# Altium PCB ControlBoard.PcbDoc (part 3 of 3) (continued)
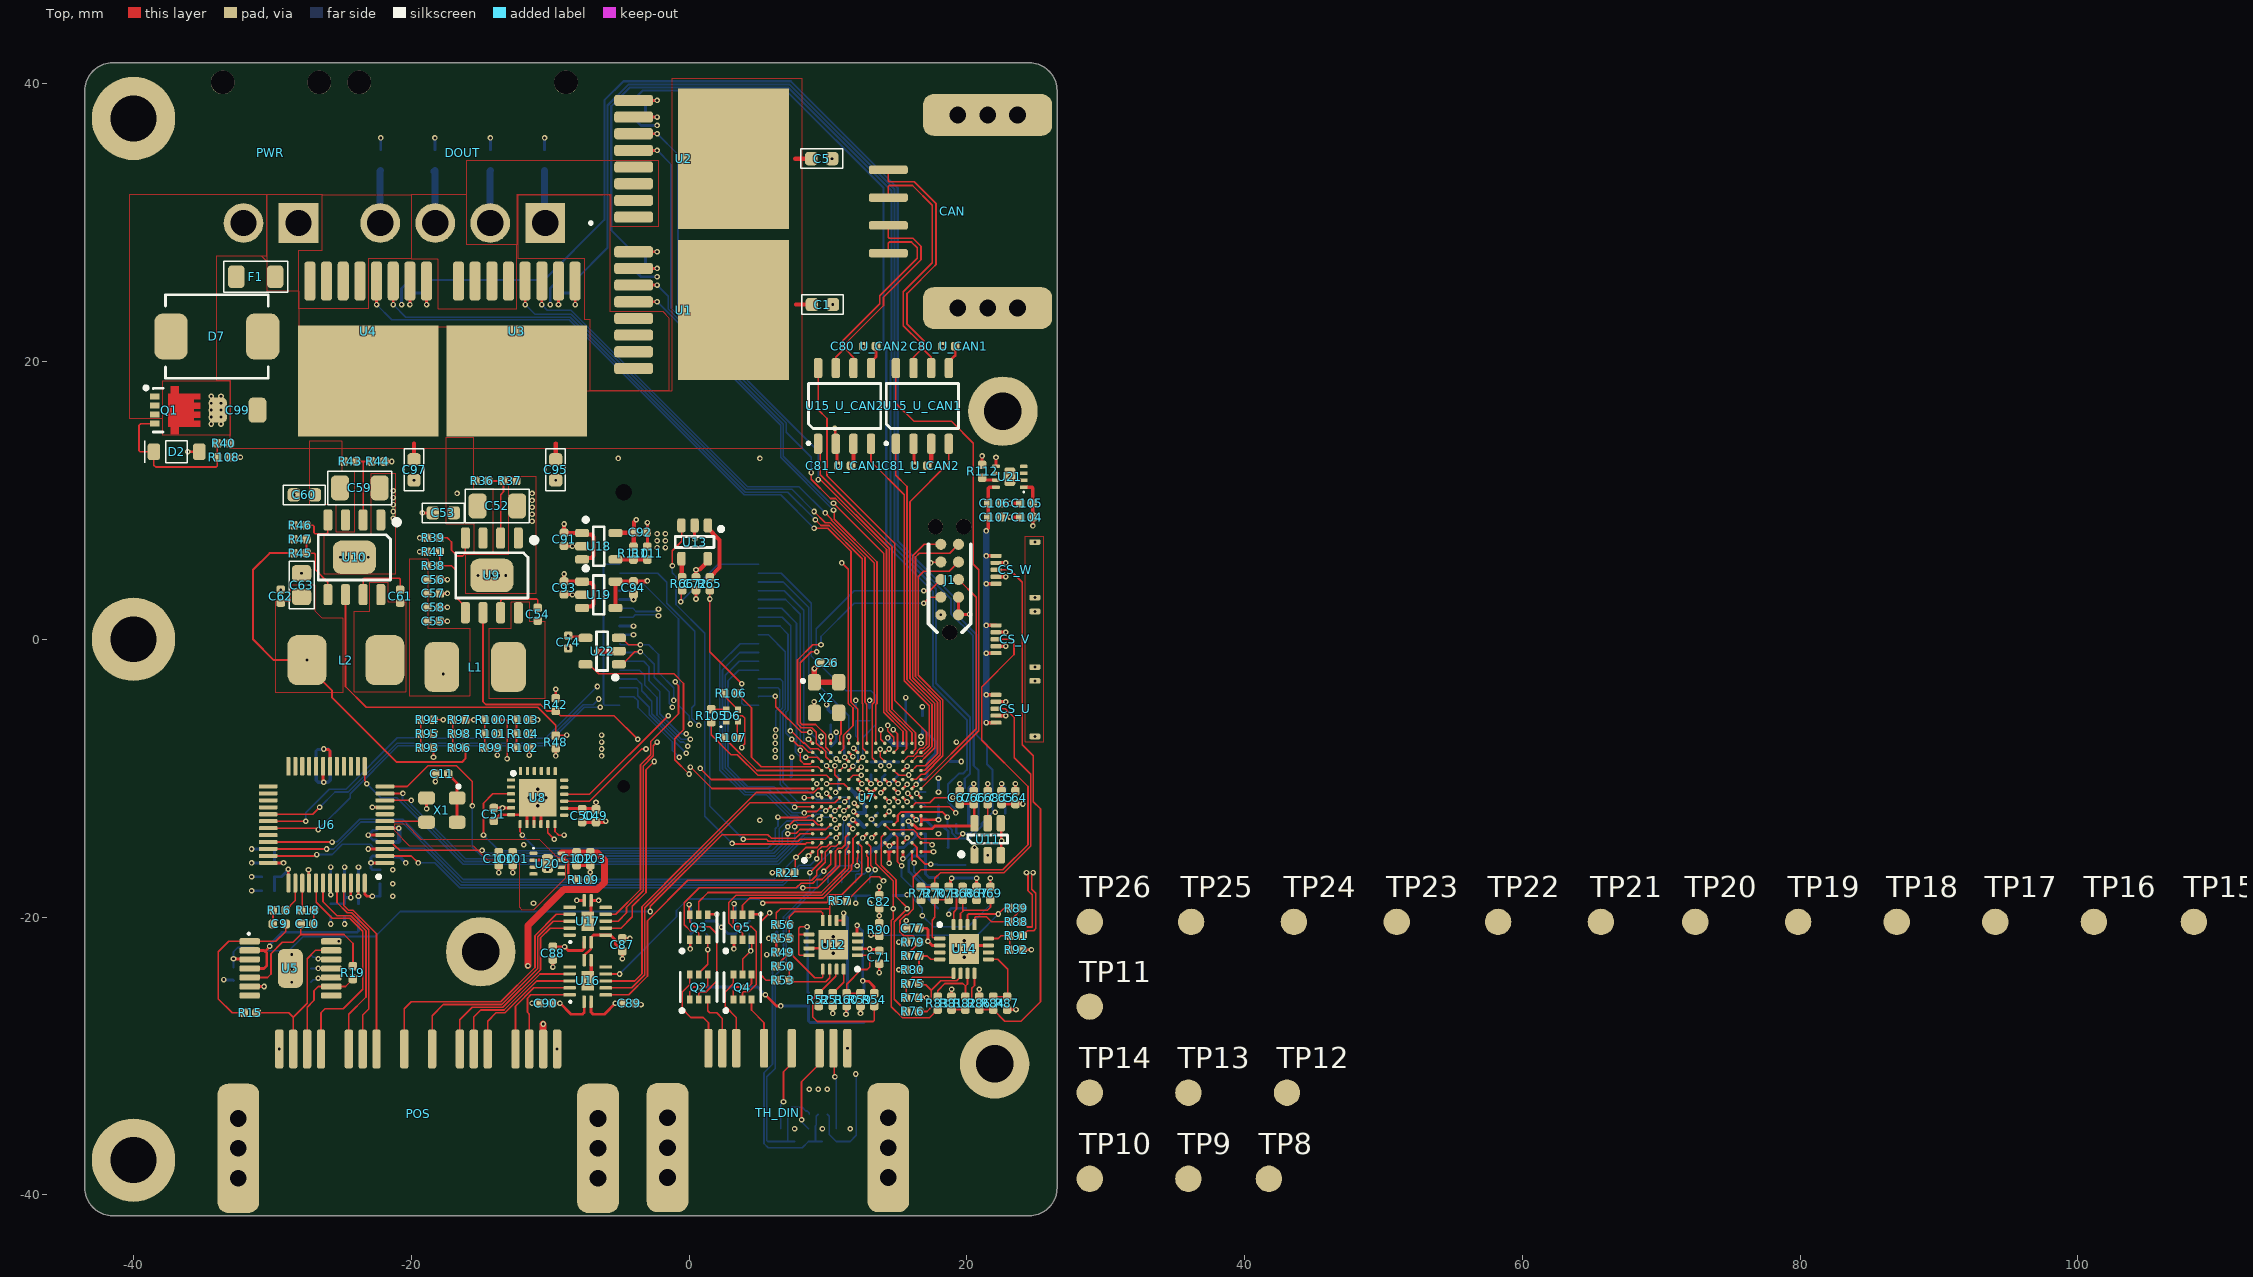
[diagram p0: Top view]
## Nets (pads, with @x,y where several pads share a name; then routed paths per layer and width w, separated by ;. In a path a pad name is that pad's centre, name@x,y a point inside that pad or via, vN(x,y) a via of type N, cw(c..) or ccw(c..) an arc to the next point about the centre after c; other vN are vias at no path point) (continued)
NetR66_1: R66.1 U13.4 | length 1.4
  Top w0.3: U13.4@-0.55,5.8 -0.525,5.775 -0.525,4.485 R66.1@-0.5,4.46
NetR67_2: R67.2 R68.1 U14.16 | length 4.4
  Top w0.12: U14.16@19.05,-20.55 19.05,-19.65 19.254,-19.446 19.254,-18.286 R68.1@19.7,-17.84 19.74,-17.84 20.66,-18.76 R67.2@20.7,-18.76
NetR68_2: R68.2 R69.1 U14.15 | length 4.5
  Top w0.12: U14.15@19.55,-20.55 19.55,-19.75 19.7,-19.6 ; R68.2@19.7,-18.76 19.7,-19.6 ; R69.1@21.7,-18.76 21.7,-19.3 21.49,-19.51 19.79,-19.51 19.7,-19.6
NetR70_2: R70.2 R73.2 U14.1 | length 4.4
  Top w0.12: U14.1@18.05,-21.55 18,-21.5 17.57,-21.5 17.5,-21.43 17.5,-20.221 17.7,-20.021 R70.2@17.7,-18.76 R73.2@18.7,-18.76
NetR74_2: R74.2 R75.1 U14.5 | length 4.8
  Top w0.12: R74.2@15.64,-25.8 R75.1@15.64,-24.8 ; R75.1@15.64,-24.8 16.094,-24.346 18.971,-24.346 19.05,-24.267 U14.5@19.05,-24.05
NetR75_2: R75.2 R76.1 U14.6 | length 6.1
  Top w0.12: R76.1@16.56,-26.8 17.132,-26.8 17.436,-26.496 17.436,-25.264 ; R75.2@16.56,-24.8 16.638,-24.878 17.05,-24.878 17.436,-25.264 ; U14.6@19.55,-24.05 19.55,-24.31 19.274,-24.586 18.114,-24.586 17.436,-25.264
NetR77_2: R77.2 R80.2 U14.4 | length 2.6
  Top w0.12: R80.2@16.56,-23.8 16.56,-23.15 R77.2@16.56,-22.8 17.149,-22.8 17.399,-23.05 U14.4@18.05,-23.05
NetR81_2: R81.2 R82.1 U14.8 | length 3.9
  Top w0.12: R81.2@18.9,-26.66 R82.1@19.9,-26.66 20.346,-26.214 20.346,-25.134 20.55,-24.93 U14.8@20.55,-24.05
NetR82_2: R82.2 R83.1 U14.7 | length 4.6
  Top w0.12: R83.1@17.9,-25.74 17.9,-25.3 18.418,-24.782 19.712,-24.782 19.9,-24.97 ; R82.2@19.82,-25.66 R82.2@19.9,-25.74 19.9,-24.97 ; U14.7@20.05,-24.05 20.05,-24.82 19.9,-24.97
NetR84_2: R84.2 R87.2 U14.9 | length 4.6
  Top w0.12: U14.9@21.55,-23.05 22.23,-23.05 22.95,-23.77 R87.2@22.95,-25.69 ; R84.2@21.9,-25.74 R87.2@22.9,-25.74
NetR88_2: R88.2 R89.1 U14.13 | length 4.6
  Top w0.12: U14.13@20.55,-20.55 20.563,-20.537 20.563,-20.05 20.633,-19.979 21.412,-19.979 21.783,-20.35 R88.2@23.09,-20.35 23.09,-20.31 24.01,-19.39 R89.1@24.01,-19.35
NetR89_2: R89.2 R90.1 U14.14 | length 14.4
  Top w0.12: v1(13.1,-21.3) 13.13,-21.33 13.67,-21.33 R90.1@13.7,-21.36 ; U14.14@20.05,-20.55 20.05,-19.853 20.12,-19.783 v1(22.267,-19.783) 22.7,-19.35 R89.2@23.09,-19.35
  Bot w0.12: v1(13.1,-21.3) 20.75,-21.3 v1(22.267,-19.783)
NetR91_2: R91.2 R92.2 U14.12 | length 2.6
  Top w0.12: U14.12@21.55,-21.55 22.266,-21.55 22.466,-21.35 R91.2@23.09,-21.35 R92.2@23.09,-22.35
NetR93_2: R93.2 R94.1 R95.2 | length 2
  Top w0.12: R93.2@-19.32,-7.8 R94.1@-19.32,-5.8
NetR96_2: R96.2 R97.1 R98.2 | length 2
  Top w0.12: R96.2@-17.02,-7.8 R97.1@-17.02,-5.8
NetR99_2: R99.2 R100.1 R101.2 | length 2
  Top w0.12: R99.2@-14.72,-7.8 R100.1@-14.72,-5.8
NetR102_2: R102.2 R103.1 R104.2 | length 2
  Top w0.12: R102.2@-12.42,-7.8 R103.1@-12.42,-5.8
NetR109_2: R109.2 U20.7 | length 2.4
  Top w0.2: U20.7@-9.2,-15.9 -9.195,-15.905 -8.817,-15.905 -8.7,-16.022 -8.7,-17.183 -8.583,-17.3 R109.2@-8.06,-17.3
NetR110_1: R110.1 R111.1 U18.4 | length 2.3
  Top w0.3: U18.4@-5.3,5.75 -5.295,5.745 -3.005,5.745 R111.1@-3,5.74
NetR112_2: R112.2 U21.7 | length 1.1
  Top w0.2: R112.2@21.1,11.64 21.265,11.475 22.075,11.475 U21.7@22.1,11.45
NetTP1_1: TP1.1 U7.H3 | length 0.4
  Top w0.2: v1(13.15,-14.3) U7.H3@13.45,-14
NetTP2_1: TP2.1 U7.J5 | length 0.4
  Top w0.2: U7.J5@14.1,-12.7 v1(14.4,-12.4)
NetTP3_1: TP3.1 U7.N3
NetTP4_1: TP4.1 U7.M3
NetTP5_1: TP5.1 U7.K8 | length 0.4
  Top w0.2: U7.K8@14.75,-10.75 v1(15.05,-11.05)
NetTP6_1: TP6.1 U7.E4 | length 0.4
  Top w0.2: U7.E4@11.5,-13.35 v1(11.8,-13.65)
OUTPUT_SHDN: R20.2 U5.3 U7.A3 | length 48.2
  Top w0.12: v1(-2.8,-19.6) -2.788,-19.588 -2.788,-19.22 2.369,-14.064 5.664,-14.064 5.936,-14.336 7.664,-14.336 8,-14 U7.A3@8.9,-14
  Top w0.2: v1(-32.8,-23) -32.775,-23.025 -31.663,-23.025 U5.3@-31.638,-23.05
  Bot w0.12: R20.2@-32.8,-23.64 v1(-32.8,-23) -32.8,-22.506 -32.487,-22.194 -31.324,-22.194 -31.082,-22.436 -28.812,-22.436 -27.775,-21.4 -22.6,-21.4 -20.8,-19.6 v1(-2.8,-19.6)
PB_IO_INT: P2.39 U7.B7 | length 18.7
  Top w0.2: v1(9.3,-11.2) 9.336,-11.2 9.536,-11.4 U7.B7@9.55,-11.4
  VDD w0.12: v1(-0.7,-8.5) -0.664,-8.536 0.667,-8.536 3.867,-11.736 8.764,-11.736 v1(9.3,-11.2)
  Bot w0.12: P2.39@-5,-4.127 -3.972,-4.127 -3.671,-4.429 -3.671,-4.914 -1.189,-7.396 -1.189,-8.011 v1(-0.7,-8.5)
PBDET_MID: P2.38 P2.54 | length 12.4
  Bot w0.12: P2.38@-5,-4.763 -6.062,-4.763 -6.164,-4.661 -6.164,5.327 -6.094,5.397 P2.54@-5,5.397
PBDET_nEN: U7.A2 U13.3 | length 30.8
  Top w0.12: v1(-1.2,5.3) -1.2,6.384 -0.525,7.059 -0.525,8.175 U13.3@-0.55,8.2 ; v1(3.1,-14.7) 3.136,-14.736 8.386,-14.736 8.473,-14.65 U7.A2@8.9,-14.65
  Bot w0.12: v1(-1.2,5.3) -1.2,4.783 -0.936,4.519 -0.936,2.506 1.136,0.434 1.136,-12.736 v1(3.1,-14.7)
PBDET_WDI: P2.24 R66.2 | length 7.6
  Top w0.12: v1(-0.6,2.7) -0.55,2.75 -0.55,3.49 R66.2@-0.5,3.54
  Bot w0.12: v1(-0.6,2.7) 2.098,5.397 P2.24@5,5.397
PBDET_WDO: P2.8 R65.2 U7.C3 | length 35.2
  Top w0.12: R65.2@1.5,3.54 v1(1.5,2.9) 1.5,-0.9 v1(3.8,-3.2) ; v1(3.9,-14.4) 5.582,-14.4 5.714,-14.532 7.868,-14.532 8.011,-14.389 9.811,-14.389 U7.C3@10.2,-14
  Bot w0.12: v1(1.5,2.9) 1.5,-12 v1(3.9,-14.4) ; v1(3.8,-3.2) 3.8,-4.6 3.963,-4.763 P2.8@5,-4.763
PCTRL_ENA: P2.9 U7.D11 | length 8.3
  Top w0.12: v1(6.2,-4.1) 6.254,-4.154 6.254,-4.854 8.1,-6.7 v1(8.7,-6.7) ; v1(10.6,-8.6) 10.625,-8.6 10.825,-8.8 U7.D11@10.85,-8.8
  Bot w0.12: P2.9@5,-4.127 5.014,-4.114 6.186,-4.114 v1(6.2,-4.1) ; v1(8.7,-6.7) 9.39,-7.39 9.39,-7.571 10.079,-8.261 10.261,-8.261 v1(10.6,-8.6)
PCTRL_nPG: P2.10 U7.B13 | length 9.1
  Top w0.12: v1(9.5,-7) 9.45,-7.05 9.45,-7.15 9.525,-7.225 9.525,-7.475 U7.B13@9.55,-7.5
  VDD w0.12: v1(6.235,-6.525) 6.25,-6.525 7.261,-7.536 7.597,-7.536 7.665,-7.468 8.335,-7.468 8.404,-7.536 8.964,-7.536 v1(9.5,-7)
  Bot w0.12: P2.10@5,-3.492 5.008,-3.5 6.4,-3.5 6.536,-3.636 6.536,-4.862 6.235,-5.163 v1(6.235,-6.525)
PCTRL_UH: P2.11 U7.E7 | length 14.9
  Top w0.12: v1(11.2,-11.7) U7.E7@11.5,-11.4
  Bot w0.12: P2.11@5,-2.857 6.558,-2.857 6.736,-3.036 6.736,-4.939 6.571,-5.104 6.571,-9.415 6.568,-9.419 6.568,-10.381 6.571,-10.385 6.571,-10.459 7.848,-11.736 11.164,-11.736 v1(11.2,-11.7)
PCTRL_UL: P2.12 U7.A6 | length 16
  Top w0.12: v1(7.6,-12.1) 7.65,-12.05 U7.A6@8.9,-12.05
  Bot w0.12: P2.12@5,-2.222 3.578,-2.222 2.804,-2.996 2.804,-8.505 2.804,-9.181 4.234,-10.611 6.111,-10.611 v1(7.6,-12.1)
PCTRL_VH: P2.13 U7.B6 | length 17.9
  Top w0.12: v1(8.3,-12.5) 8.376,-12.5 8.479,-12.396 9.204,-12.396 U7.B6@9.55,-12.05
  Bot w0.12: P2.13@5,-1.587 3.612,-1.587 2.608,-2.592 2.608,-9.263 4.153,-10.808 5.738,-10.808 7.426,-12.495 8.295,-12.495 v1(8.3,-12.5)
PCTRL_VL: P2.14 U7.C6 | length 19.8
  Top w0.12: v1(9.85,-12.35) 9.875,-12.35 10.175,-12.05 U7.C6@10.2,-12.05
  Bot w0.12: P2.14@5,-0.953 3.648,-0.953 2.411,-2.189 2.411,-9.344 4.071,-11.004 5.657,-11.004 7.345,-12.692 7.839,-12.692 7.983,-12.836 8.636,-12.836 9.122,-12.35 v1(9.85,-12.35)
PCTRL_WH: P2.15 U7.D6 | length 21.7
  Top w0.12: v1(10.5,-12.35) 10.525,-12.35 10.825,-12.05 U7.D6@10.85,-12.05
  Bot w0.12: P2.15@5,-0.318 3.682,-0.318 2.215,-1.785 2.215,-9.425 3.99,-11.2 5.575,-11.2 7.263,-12.888 7.757,-12.888 7.902,-13.032 8.717,-13.032 9.149,-12.6 9.521,-12.6 9.725,-12.804 10.046,-12.804 v1(10.5,-12.35)
PCTRL_WL: P2.16 U7.E6 | length 18.8
  Top w0.12: v1(11.15,-12.35) 11.175,-12.35 11.475,-12.05 U7.E6@11.5,-12.05 U7.E6@11.5,-12.025
  Bot w0.12: P2.16@5,0.318 5.725,0.318 6.932,-0.89 6.932,-5.021 6.768,-5.185 6.768,-9.497 6.764,-9.5 6.764,-10.3 7.364,-10.9 8.525,-10.9 9.161,-11.536 10.364,-11.536 10.536,-11.364 11.339,-11.364 11.536,-11.561 11.536,-11.964 v1(11.15,-12.35)
PG_24V: R48.1 U7.A8 U10.6 | length 43.8
  Top w0.12: U10.6@-24.735,3.212 -24.735,-3.4 -23.237,-4.898 -10.902,-4.898 -9.6,-6.2 R48.1@-9.6,-6.94 -9.58,-6.92 -8.82,-6.92 v1(-8.8,-6.9) ; v1(0.1,-9.2) 1.65,-10.75 U7.A8@8.9,-10.75
  VDD w0.12: v1(-8.8,-6.9) -6.5,-9.2 v1(0.1,-9.2)
"PG_ 5V": R42.1 U7.A9 U9.6 | length 32.8
  Top w0.12: U9.6@-14.835,1.912 -14.835,-4.495 -14.63,-4.7 -14,-4.7 -13.998,-4.702 -10.698,-4.702 -10.24,-5.16 R42.1@-9.6,-5.16 -9.26,-5.5 -5.4,-5.5 v1(-3.7,-7.2) ; v1(0.8,-9.3) 1.6,-10.1 U7.A9@8.9,-10.1
  VDD w0.12: v1(-3.7,-7.2) -3.7,-7.775 -3.012,-8.464 -1.347,-8.464 -0.975,-8.836 0.336,-8.836 v1(0.8,-9.3)
"RES REF": C23.1 R17.1 U6.47 | length 2.1
  Top w0.2: U6.47@-23.85,-17.55 -23.825,-17.575 -23.825,-18.475 v1(-23.8,-18.5)
  Bot w0.2: R17.1@-23.8,-19.04 v1(-23.8,-18.5) C23.1@-23.8,-17.96
RES_A0: R22.1 R26.2 U6.37 | length 3.2
  Top w0.2: v1(-28.861,-16.564) -28.855,-16.569 -28.855,-17.545 U6.37@-28.85,-17.55
  Bot w0.2: R26.2@-29.84,-18.1 R22.1@-29.84,-17.1 -29.346,-17.1 -28.861,-16.615 v1(-28.861,-16.564)
RES_A1: R23.1 R27.2 U6.36 | length 2.7
  Top w0.2: U6.36@-30.3,-16.1 v1(-29.2,-16.1)
  Bot w0.2: R27.2@-29.84,-15.1 R23.1@-29.84,-16.1 v1(-29.2,-16.1)
RES_CLK: U6.7 X1.3 | length 3
  Top w0.12: U6.7@-21.9,-13.1 -18.975,-13.1 X1.3@-18.9,-13.175
RES_COS_N: POS.4 U6.44 | length 13.3
  Top w0.12: U6.44@-25.35,-17.55 -25.35,-18.95 -24.6,-19.7 -24.277,-19.7 -23.061,-20.916 -23.061,-26.616 -23.5,-27.055 POS.4@-23.5,-29.5
RES_COS_P: POS.13 U6.45 | length 13.1
  Top w0.12: U6.45@-24.85,-17.55 -24.85,-19.173 -24.519,-19.504 -24.196,-19.504 -22.5,-21.2 POS.13@-22.5,-29.5
RES_DOS: U6.35 U7.E5 | length 46.2
  Top w0.12: U6.35@-30.3,-15.6 -26.976,-15.6 -26.876,-15.5 v1(-26.8,-15.5) ; v1(11.2,-12.9) 11.265,-12.9 11.465,-12.7 U7.E5@11.5,-12.7
  Bot w0.12: v1(-26.8,-15.5) -25.696,-15.5 -24.959,-14.764 -22.961,-14.764 -22.678,-15.046 -19.074,-15.046 -16.427,-17.692 6.785,-17.692 8.014,-16.464 9.012,-16.464 11.088,-14.388 11.088,-13.335 11.146,-13.276 11.146,-12.954 v1(11.2,-12.9)
RES_EXC_N: POS.5 R19.1 U5.9 | length 7.6
  Top w0.12: POS.5@-27.5,-29.5 -27.5,-26.5 -27,-26 -27,-25.296 -26.704,-25 U5.9@-25.762,-25 -24.74,-25 R19.1@-24.2,-24.46
RES_EXC_P: POS.16 R15.1 U5.13 | length 11.7
  Top w0.12: R15.1@-31.14,-26.9 -28.822,-26.9 -28.5,-27.223 ; POS.16@-28.5,-29.5 -28.5,-27.223 ; U5.13@-25.762,-22.4 -26.9,-22.4 -27.496,-22.996 -27.496,-26.219 -28.5,-27.223
RES_LOT: U6.34 U7.C2 | length 44.6
  Top w0.12: U6.34@-30.3,-15.1 v1(-26.1,-15.1) ; v1(9.2,-15.8) 9.274,-15.726 9.274,-15.207 9.547,-14.933 9.917,-14.933 U7.C2@10.2,-14.65
  Bot w0.12: v1(-26.1,-15.1) -25.573,-15.1 -23.627,-13.154 -20.688,-13.154 -16.773,-17.07 -16.346,-17.496 6.704,-17.496 7.932,-16.268 8.732,-16.268 v1(9.2,-15.8)
RES_nFSYNC: U6.4 U7.B4 | length 33.5
  Top w0.1: U6.4@-21.9,-14.6 -21.382,-14.6 -21.289,-14.693 -21.289,-14.762 -21.222,-14.829 -21.215,-14.829 -20.844,-15.2 v1(-14.9,-15.2) ; v1(7.1,-13.5) 7.578,-13.022 8.928,-13.022 9.255,-13.35 U7.B4@9.55,-13.35
  Bot w0.1: v1(-14.9,-15.2) -14.842,-15.2 -14.624,-15.419 6.081,-15.419 6.7,-14.8 6.7,-13.9 v1(7.1,-13.5)
RES_nRESET: R21.2 U6.33 U7.B2 | length 44.6
  Top w0.12: U6.33@-30.3,-14.6 v1(-25.7,-14.6) ; R21.2@7.56,-16.8 7.646,-16.714 7.646,-15.754 v1(7.7,-15.7) 8.412,-14.988 9.212,-14.988 U7.B2@9.55,-14.65
  Bot w0.12: v1(-25.7,-14.6) -25.669,-14.569 -25.32,-14.569 -23.708,-12.958 -20.607,-12.958 -16.265,-17.3 6.1,-17.3 v1(7.7,-15.7)
RES_nSAMPLE: U6.10 U7.A4 | length 34.3
  Top w0.12: U6.10@-21.9,-11.6 v1(-20,-11.6) ; v1(7.6,-13.5) 7.676,-13.5 7.826,-13.35 U7.A4@8.9,-13.35
  Bot w0.12: v1(-20,-11.6) -20,-11.9 -16.099,-15.801 6.276,-15.801 7.6,-14.477 v1(7.6,-13.5)
RES_RES0: R24.1 R28.2 U6.48 | length 2.9
  Top w0.2: U6.48@-23.35,-17.55 -23.349,-17.551 -23.349,-18.351 -23.2,-18.5 v1(-22.8,-18.5)
  Bot w0.2: v1(-22.8,-18.5) R28.2@-22.26,-18.5 R24.1@-22.26,-17.6
RES_RES1: R25.1 R29.2 U6.1 | length 3.1
  Top w0.2: v1(-22.9,-16.1) U6.1@-21.9,-16.1
  Bot w0.2: R29.2@-22.26,-15.6 -22.783,-15.6 -22.9,-15.717 -22.9,-16.483 -22.783,-16.6 R25.1@-22.26,-16.6
RES_SIN_N: POS.14 U6.42 | length 14.3
  Top w0.12: U6.42@-26.35,-17.55 -26.35,-18.9 -25.354,-19.896 -24.359,-19.896 -23.258,-20.997 -23.258,-25.758 -24.5,-27 POS.14@-24.5,-29.5
RES_SIN_P: POS.15 U6.41 | length 16.1
  Top w0.12: U6.41@-26.85,-17.55 -26.85,-18.928 -25.686,-20.092 -24.44,-20.092 -23.5,-21.032 -23.5,-25.2 -24.9,-26.6 -26.208,-26.6 -26.5,-26.892 POS.15@-26.5,-29.5
REVISION: C25.1 R31.1 R33.2 U7.M1 | length 6.3
  Top w0.15: U7.M1@16.05,-15.3 16.05,-15.882 16.2,-16.032 v1(16.2,-16.1)
  Bot w0.15: v1(16.2,-16.1) 16.2,-16.74 17.162,-17.703 17.812,-17.703 17.9,-17.79 R31.1@17.9,-18.44 R33.2@18.9,-18.44 C25.1@19.9,-18.44
RGB_B: R106.1 U7.B10 | length 10.5
  Top w0.12: R106.1@3.46,-3.9 4.5,-4.94 4.5,-8.5 5.189,-9.189 9.289,-9.189 U7.B10@9.55,-9.45
RGB_G: R107.1 U7.A10 | length 7.3
  Top w0.12: R107.1@2.54,-7.1 4.89,-9.45 U7.A10@8.9,-9.45
RGB_R: R105.1 U7.C9 | length 10.9
  Top w0.12: R105.1@1.6,-5.96 1.6,-6.882 3.026,-8.308 3.47,-8.308 4.963,-9.8 9.9,-9.8 U7.C9@10.2,-10.1
SLAVE_RESET: P2.41 U7.C7 | length 19.6
  Top w0.2: v1(9.9,-11.1) U7.C7@10.2,-11.4
  VDD w0.12: v1(-0.1,-7.7) 0.386,-7.7 3.55,-10.864 9.599,-10.864 9.835,-11.1 v1(9.9,-11.1)
  Bot w0.12: P2.41@-5,-2.857 -3.787,-2.857 -3.416,-3.228 -3.416,-3.716 -2.675,-4.458 -2.675,-5.356 -0.634,-7.396 -0.404,-7.396 v1(-0.1,-7.7)
SPIACC_MISO: U7.F10 U8.15 | length 25.7
  Top w0.12: U8.15@-8.987,-11.666 -7.166,-11.666 -3.4,-7.9 v1(-3.1,-7.9)
  Top w0.2: U7.F10@12.15,-9.45 v1(12.4,-9.2)
  VDD w0.12: v1(-3.1,-7.9) -2.3,-7.9 -0.936,-6.536 -0.412,-6.536 -0.339,-6.464 -0.018,-6.464 0.186,-6.668 0.321,-6.668 0.632,-6.979 0.632,-7.114 3.379,-9.861 8.709,-9.861 8.898,-9.671 11.929,-9.671 v1(12.4,-9.2)
SPIACC_MOSI: U7.F12 U8.16 | length 26.2
  Top w0.12: U8.16@-8.987,-11.166 -7.166,-11.166 v1(-1.5,-5.5)
  Top w0.2: v1(11.85,-7.85) U7.F12@12.15,-8.15
  VDD w0.12: v1(-1.5,-5.5) 0.475,-5.5 1.485,-6.51 1.485,-7.163 3.615,-9.292 8.473,-9.292 9.915,-7.85 v1(11.85,-7.85)
SPIACC_nSS: U7.K7 U8.12 | length 27.5
  Top w0.12: U8.12@-9.65,-13.313 -9.65,-13.839 -9.389,-14.1 v1(-9,-14.1)
  Top w0.2: U7.K7@14.75,-11.4 v1(15.05,-11.7)
  VDD w0.12: v1(-9,-14.1) -8.7,-13.8 6.425,-13.8 7.065,-14.44 9.96,-14.44 10.436,-13.964 11.177,-13.964 11.199,-13.986 12.061,-13.986 12.512,-13.535 13.043,-13.535 13.472,-13.106 13.472,-12.852 14.288,-12.036 14.539,-12.036 14.736,-11.839 14.736,-11.824 14.807,-11.754 14.996,-11.754 v1(15.05,-11.7)
SPIACC_SCK: U7.L7 U8.11 | length 28.7
  Top w0.12: U8.11@-10.166,-13.313 -10.166,-13.934 v1(-9.7,-14.4)
  Top w0.2: U7.L7@15.4,-11.4 v1(15.7,-11.7)
  VDD w0.12: v1(-9.7,-14.4) -9.664,-14.436 -8.836,-14.436 -8.464,-14.064 6.411,-14.064 6.983,-14.636 7.236,-14.636 11.087,-14.636 11.541,-14.182 12.142,-14.182 12.361,-13.964 13.436,-13.964 v1(15.7,-11.7)
SPIENC_MISO: U7.B8 U16.4 | length 24.1
  Top w0.12: U16.4@-6,-24.6 -3.9,-24.6 -3.384,-24.084 -3.384,-19.253 -0.158,-16.028 -0.15,-16.028 4.844,-11.033 8.986,-11.033 9.269,-10.75 U7.B8@9.55,-10.75
SPIENC_MOSI: U7.D7 U16.3 | length 25.4
  Top w0.12: U16.3@-6,-25.1 -4.123,-25.1 -3.188,-24.165 -3.188,-19.335 -0.077,-16.224 -0.069,-16.224 4.391,-11.764 10.486,-11.764 U7.D7@10.85,-11.4
SPIENC_nSS: U7.F2 U16.5 | length 24.5
  Top w0.12: U16.5@-6,-24.1 v1(-5,-24.1) ; v1(5.3,-19) 5.348,-18.952 9.928,-18.952 9.998,-18.882 9.998,-18.566 10.168,-18.396 11.004,-18.396 12.436,-16.964 12.436,-14.936 U7.F2@12.15,-14.65
  Bot w0.12: v1(-5,-24.1) -5,-24.076 -0.9,-19.976 -0.9,-19.525 -0.081,-18.706 5.006,-18.706 v1(5.3,-19)
SPIENC_SCK: U7.D2 U16.2 | length 24.3
  Top w0.12: U16.2@-6,-25.6 -4.345,-25.6 -2.991,-24.246 -2.991,-20.267 -0.082,-17.358 8.842,-17.358 9.2,-17 9.2,-16.666 9.811,-16.055 9.811,-15.319 10.219,-14.911 10.577,-14.911 10.838,-14.65 U7.D2@10.85,-14.65
SPIPB_MISO: P2.17 U7.A12 | length 12.1
  Top w0.12: v1(7.4,-7.2) 7.864,-7.664 8.139,-7.664 8.601,-8.125 8.875,-8.125 U7.A12@8.9,-8.15
  Bot w0.12: P2.17@5,0.953 6.548,0.953 7.129,0.371 7.129,-5.102 6.964,-5.267 6.964,-6.739 7.4,-7.175 v1(7.4,-7.2)
SPIPB_MOSI: P2.18 U7.B12 | length 13.1
  Top w0.12: v1(7.3,-6.6) 7.353,-6.6 8.221,-7.468 8.324,-7.468 8.745,-7.889 9.289,-7.889 U7.B12@9.55,-8.15
  Bot w0.12: P2.18@5,1.587 6.713,1.587 7.325,0.975 7.325,-5.183 7.3,-5.208 v1(7.3,-6.6)
SPIPB_nCS: P2.20 U7.A11 | length 15
  Top w0.12: v1(8,-8) 8,-8.7 8.279,-8.979 8.721,-8.979 U7.A11@8.9,-8.8
  Bot w0.12: P2.20@5,2.857 6.943,2.857 8,1.8 v1(8,-8)
SPIPB_SCK: P2.19 U7.B11 | length 14.7
  Top w0.12: v1(8.4,-8.5) 9.225,-8.5 9.525,-8.8 U7.B11@9.55,-8.8
  Bot w0.12: P2.19@5,2.222 6.678,2.222 7.736,1.164 7.736,-7.339 7.664,-7.412 7.664,-8.139 8.02,-8.495 8.395,-8.495 v1(8.4,-8.5)
SPIPB_W0: P2.21 U7.C10 | length 16.2
  Top w0.12: v1(9.9,-9.1) 9.9,-9.125 10.2,-9.425 U7.C10@10.2,-9.45
  Bot w0.12: P2.21@5,3.492 6.853,3.492 8.264,2.081 8.264,-7.464 v1(9.9,-9.1)
SPIPB_W1: P2.22 U7.E13 | length 15.4
  Top w0.12: U7.E13@11.5,-7.5 v1(11.5,-7)
  Bot w0.12: P2.22@5,4.127 6.773,4.127 8.611,2.289 8.611,-2.611 11.5,-5.5 v1(11.5,-7)
SPIPB_W2: P2.23 U7.F11 | length 19.6
  Top w0.12: U7.F11@12.15,-8.8 12.175,-8.8 12.475,-8.5 v1(12.5,-8.5)
  Bot w0.12: P2.23@5,4.763 6.638,4.763 8.807,2.593 8.807,-1.207 11.3,-3.7 13.1,-3.7 13.446,-4.046 13.446,-6.136 12.5,-7.082 v1(12.5,-8.5)
SPIRES_MISO: U6.11 U7.D4 | length 36.2
  Top w0.12: U6.11@-21.9,-11.1 v1(-20.6,-11.1) ; v1(10.6,-13.6) U7.D4@10.85,-13.35
  Bot w0.12: v1(-20.6,-11.1) -20.636,-11.136 -20.636,-11.541 -16.18,-15.997 6.358,-15.997 8.755,-13.6 v1(10.6,-13.6)
SPIRES_MOSI: U6.12 U7.C4 | length 39.5
  Top w0.12: U6.12@-21.9,-10.6 -20.3,-10.6 -18.8,-9.1 -16.743,-9.1 -15.6,-10.243 v1(-15.6,-12) ; v1(7.1,-14) 7.128,-13.972 7.715,-13.972 7.987,-13.7 9.85,-13.7 U7.C4@10.2,-13.35
  Bot w0.12: v1(-15.6,-12) -15.6,-14.975 -14.971,-15.605 6.195,-15.605 7.1,-14.7 v1(7.1,-14)
SPIRES_nSS: U6.2 U7.D1 | length 35.4
  Top w0.12: U6.2@-21.9,-15.6 -20,-15.6 v1(-19.5,-16.1) ; v1(8.2,-17.9) 9.253,-17.9 10.85,-16.303 U7.D1@10.85,-15.3
  Bot w0.12: v1(-19.5,-16.1) -18.3,-16.1 -16.5,-17.9 v1(8.2,-17.9)
SPIRES_SCK: U6.13 U7.D3 | length 38.7
  Top w0.12: U6.13@-23.35,-9.15 -23.35,-10.174 -23.2,-10.324 v1(-23.2,-10.4) ; v1(10.6,-14.3) 10.6,-14.275 10.85,-14.025 U7.D3@10.85,-14
  Bot w0.12: v1(-23.2,-10.4) -22.2,-11.4 -21.055,-11.4 -16.262,-16.193 6.439,-16.193 8.332,-14.3 v1(10.6,-14.3)
THERM_HA: C69.1 R53.1 U7.M7 | length 24.1
  Top w0.12: v1(5.8,-19.7) 5.2,-20.3 5.2,-24.2 5.542,-24.542 R53.1@6.284,-24.542
  Top w0.2: v1(15.75,-11.1) U7.M7@16.05,-11.4
  VDD w0.12: v1(5.8,-19.7) 7.1,-18.4 9.838,-18.4 10.738,-17.5 13.323,-17.5 13.841,-16.981 13.841,-14.081 16.036,-11.886 16.036,-11.386 v1(15.75,-11.1)
  Bot w0.12: v1(15.75,-11.1) 16.474,-11.824 16.864,-11.824 C69.1@17.04,-12
THERM_LA: C70.1 R57.1 U7.N7 | length 11.9
  Top w0.12: R57.1@11.364,-18.842 13.106,-17.1 13.7,-17.1 v1(14,-17.4)
  Top w0.2: v1(16.4,-11.1) U7.N7@16.7,-11.4
  VDD w0.12: v1(14,-17.4) 14.037,-17.363 14.037,-17.063 14.038,-14.162 16.4,-11.8 v1(16.4,-11.1)
  Bot w0.12: v1(16.4,-11.1) 16.476,-11.1 16.576,-11 C70.1@17.04,-11
THERM_OUT1: Q2.6 TH_DIN.3 | length 6.8
  Top w0.12: Q2.6@0.044,-24.14 0.044,-24.858 -0.5,-25.402 -0.5,-26.6 0.132,-27.232 1.032,-27.232 1.4,-27.6 TH_DIN.3@1.4,-29.45
THERM_OUT2: Q2.3 TH_DIN.1 | length 4.2
  Top w0.12: Q2.3@1.344,-25.942 1.344,-26.744 1.5,-26.9 2,-26.9 2.4,-27.3 TH_DIN.1@2.4,-29.45
THERM_OUT3: Q4.6 TH_DIN.4 | length 5.9
  Top w0.12: Q4.6@3.194,-24.141 3.194,-24.806 2.6,-25.4 2.6,-26.43 3.4,-27.23 TH_DIN.4@3.4,-29.45
THERM_OUT4: Q4.3 TH_DIN.5 | length 3.9
  Top w0.12: Q4.3@4.494,-25.943 4.494,-26.694 5.4,-27.6 TH_DIN.5@5.4,-29.45
THERM_SEL1: Q3.2 U7.E3 | length 18.2
  Top w0.12: Q3.2@0.694,-21.642 0.694,-21.162 0.532,-21 0.1,-21 -0.336,-20.564 -0.336,-18.961 0.725,-17.9 7.725,-17.9 8.061,-17.564 8.914,-17.564 9.177,-17.3 9.575,-17.3 10.54,-16.336 10.54,-15.241 10.742,-15.039 11,-15.039 11.239,-14.8 11.239,-14.261 U7.E3@11.5,-14
THERM_SEL2: Q3.5 U7.E2 | length 14.4
  Top w0.12: Q3.5@0.694,-19.84 0.694,-18.906 1.364,-18.236 9.496,-18.236 11.239,-16.493 11.239,-15.186 11.475,-14.95 11.475,-14.675 U7.E2@11.5,-14.65
THERM_SEL3: Q5.2 U7.E1 | length 14.1
  Top w0.12: Q5.2@3.844,-21.643 3.844,-21.163 3.561,-20.88 3.302,-20.88 2.852,-20.429 2.852,-18.959 3.378,-18.432 9.577,-18.432 11.5,-16.509 U7.E1@11.5,-15.3
THERM_SEL4: Q5.5 U7.F3 | length 12.4
  Top w0.12: Q5.5@3.844,-19.841 3.844,-19.156 4.371,-18.629 9.658,-18.629 11.697,-16.59 11.697,-16.228 11.8,-16.125 11.8,-14.35 U7.F3@12.15,-14
VARIANT: C24.1 R30.1 R32.2 U7.M2 | length 4.9
  Top w0.15: U7.M2@16.05,-14.65 16.424,-15.024 16.424,-15.624 16.975,-16.175 17.375,-16.175 v1(17.4,-16.2)
  Bot w0.15: v1(17.4,-16.2) 17.42,-16.22 17.88,-16.22 R30.1@17.9,-16.24 R32.2@18.9,-16.24 C24.1@19.9,-16.24
VCS: C106.2 C107.1 CS_U.1 CS_U.5 CS_V.1 CS_V.5 CS_W.1 CS_W.5 TP22.1 U21.8 | length 21.7
  Top w0.25: v1(21.4,-6) CS_U.5@22.1,-6 ; v1(21.4,-4) CS_U.1@22.1,-4 ; v1(21.4,-1) CS_V.5@22.1,-1 ; v1(21.4,1) CS_V.1@22.1,1 ; v1(21.4,4) CS_W.5@22.1,4 ; v1(21.4,6) CS_W.1@22.1,6 ; v1(21.4,7.8) 21.4,7.841 21.54,7.981 C107.1@21.54,8.8 C106.2@21.54,9.8 21.54,10.88 21.61,10.95 U21.8@22.1,10.95
  Bot w0.5: v1(21.4,-6) v1(21.4,-4) v1(21.4,-1) v1(21.4,1) v1(21.4,4) v1(21.4,6) v1(21.4,7.8)
VENC: C102.2 C103.1 POS.7 TP21.1 U20.8 | length 21.1
  Top w0.5: v1(-11.6,-23.5) -11.6,-20.6 -9.019,-18.019 -6.619,-18.019 -6.1,-17.5 -6.1,-15.9 -6.6,-15.4 -7.04,-15.4 C103.1@-7.1,-15.34 -7.135,-15.375 -8.1,-15.375 U20.8@-9.175,-15.375 ; POS.7@-10.5,-29.5 v1(-10.5,-27.7)
  VDD w0.5: v1(-11.6,-23.5) -10.5,-24.6 v1(-10.5,-27.7)
XRSn: J1.7 TP7.1 U7.D12 | length 21.5
  Top w0.12: U7.D12@10.85,-8.15 11.118,-7.882 11.118,-6.935 11.132,-6.921 11.132,-6.892 11.8,-6.225 11.8,-4.953 11.468,-4.621 11.468,5.032 v1(11,5.5) ; v1(17.4,5.5) 17.435,5.535 18.095,5.535 J1.7@18.13,5.57
  VDD w0.12: v1(11,5.5) v1(17.4,5.5)
pads on no net: DOUT. J1.M1 J1.M2 J1.M3 P2.0 PWR. U5.7 U5.8 U6.8 U6.14 U6.15 U6.16 U6.17 U6.20 U6.21 U6.22 U6.23 U6.24 U6.25 U6.26 U6.27 U6.28 U6.32 U7.B3 U7.B9 U7.C8 U7.D5 U7.D8 U7.G4 U7.G5 U7.G6 U7.G10 U7.G11 U7.H2 U7.H4 U7.H5 U7.H6 U7.H10 U7.H12 U7.J6 U7.J10 U7.K5 U7.K6 U7.K11 U7.L3 U7.L4 U7.L5 U7.L6 U7.L9 U8.1 U8.2 U8.4 U8.13 U8.17 U8.18 U8.19 U8.20 U8.21 U8.22 U8.23 U8.24 U12.3 U12.10 U14.3 U14.10 U16.6 U16.9 U17.6 U17.9 U17.13 U20.3 U20.4 U20.6 U21.3 U21.4 U21.6

## Polygon pours and split planes (outlines as drawn)
GND on Bot "NONET_L06_P1038" (solid, shelved, pour order 1038): -6,9.5 6.1,9.5 6.1,5.7 -6,5.7
3V3 on Bot "NONET_L06_P1040" (solid, shelved, pour order 1040): 8,-15.9 18.4,-15.9 18.4,-5.5 8,-5.5
3V3 on Bot "NONET_L06_P1039" (solid, shelved, pour order 1039): 4.1,-5.1 6.4,-5.1 6.4,-9.7 4.1,-9.7
24V on Bot "NONET_L06_P1037" (solid, shelved, pour order 1037): -4,-5.2 -6.1,-5.2 -6.8,-5.9 -6.8,-9.4 -4,-9.4
GND_IN on Top "NONET_L01_P1032" (solid, shelved, pour order 1032): -37.9,15.9 -37.9,18.6 -34,18.6 -34,27.6 -30.4,27.6 -30.4,32 -40.3,32 -40.3,15.9
DOUT_PWR4 on Top "NONET_L01_P1031" (solid, shelved, pour order 1031): -20,27.4 -23.1,27.4 -23.1,23.8 -28.1,23.8 -28.1,28 -26.4,28 -26.4,32 -20,32
DOUT_PWR3 on Top "NONET_L01_P1030" (solid, shelved, pour order 1030): -12.4,28.4 -16,28.4 -16,32 -20,32 -20,27.4 -18.1,27.4 -18.1,23.8 -12.4,23.8
DOUT_PWR1 on Top "NONET_L01_P1029" (solid, shelved, pour order 1029): -7.1,23 -7.5,23 -7.5,27.4 -12.3,27.4 -12.3,32 -5.7,32 -5.7,23.6 -1.9,23.6 -1.45,23.15 -1.45,17.9 -7.1,17.9
DOUT_PWR2 on Top "NONET_L01_P1028" (solid, shelved, pour order 1028): -16,28.4 -16,34.5 -2.2,34.5 -2.2,29.7 -5.6,29.7 -5.6,32 -12.4,32 -12.4,28.4
48V on Top "NONET_L01_P1027" (solid, shelved, pour order 1027): -33.04,18.6 -34,18.6 -34,27.6 -30.8,27.6 -30.4,27.2 -30.4,25.1 -28.1,25.1 -28.1,22.5 -7.9,22.5 -7.9,17.9 -1.2,17.9 -1.2,40.4 8.1,40.4 8.1,13.7 -33.04,13.7
48V_IN on Top "NONET_L01_P1026" (solid, shelved, pour order 1026): -26.4,32 -30.4,32 -30.4,25.1 -28.1,25.1 -28.1,28 -26.4,28
5V on Top "NONET_L01_P1025" (solid, shelved, pour order 1025): -18.83,5.8 -18.83,0.8 -15.8,0.8 -15.8,-4.1 -20.1,-4.1 -20.1,5.8
48V on Top "`" (solid, shelved, pour order 1023): -17.5,9.8 -17.5,8.3 -15.5,8.3 -15.5,6.2 -14.1,6.2 -14.1,10.8 -15.5,10.8 -15.5,14.5 -17.5,14.5
NetC54_1 on Top "NONET_L01_P1022" (solid, shelved, pour order 1022): -14.4,0.8 -12.8,0.8 -12.8,2.7 -11.5,2.7 -11.5,1.3 -10.4,1.3 -10.4,-4.3 -14.4,-4.3
NetC61_1 on Top "NONET_L01_P1021" (solid, shelved, pour order 1021): -21.7,4.1 -21.7,2.7 -20.4,2.7 -20.4,-3.8 -24.1,-3.8 -24.1,2 -23,2 -23,4.1
24V on Top "NONET_L01_P1020" (solid, shelved, pour order 1020): -28.7,2.7 -29.8,2.7 -29.8,-3.8 -24.9,-3.8 -24.9,1.5 -26.4,1.5 -26.9,2 -26.9,3.9 -28.7,3.9
48V on Top "NONET_L01_P1019" (solid, shelved, pour order 1019): -27.3,11.2 -27.3,14.3 -25,14.3 -25,12.1 -24.1,12.1 -24.1,7.7 -25.4,7.7 -25.4,9.7 -27.3,9.7
GND on Top "NONET_L01_P1036" (solid, shelved, pour order 1036): 24.2,7.4 25.5,7.4 25.5,-7.4 24.2,-7.4
5V on Top "NONET_L01_P1035" (solid, shelved, pour order 1035): -14.5,-15.9 -15.5,-14.9 -20.1,-14.9 -21.2,-13.8 -21.2,-13.3 -20.4,-13.3 -19.3,-14.4 -10.8,-14.4 -9.5,-15.7 -8.9,-15.7 -8.9,-17.2 -11.2,-19.5 -12,-19.5 -12.2,-19.3 -12.2,-15.9
GND on Top "NONET_L01_P1018" (solid, shelved, pour order 1018): -22.9,7.5 -26.2,7.5 -26.3,7.4 -26.3,4.7 -21.1,4.7 -21.1,11.9 -22.9,11.9 -22.9,11.7
GND on Top "NONET_L01_P1024" (solid, shelved, pour order 1024): -13,6.1 -16.1,6.1 -16.1,3.3 -11,3.3 -11,11.7 -13,11.7
GND on Top "NONET_L01_P1033" (solid, shelved, pour order 1033): -37.9,18.6 -33.04,18.6 -33.04,14.7 -37.9,14.7 -37.9,15.9
3V3 on Inn "NONET_L04_P1041" (solid, shelved, pour order 1041): -41.5,-41.5 cw(c-41.5,-39.5) -43.5,-39.5 -43.5,39.5 cw(c-41.5,39.5) -41.5,41.5 24.5,41.5 cw(c24.5,39.5) 26.5,39.5 26.5,-39.5 cw(c24.5,-39.5) 24.5,-41.5
GND on GNDB (split plane): -41.5,40.99 24.5,40.99 24.515,40.991 24.667,40.982 24.832,40.954 24.993,40.908 25.147,40.844 25.294,40.763 25.43,40.666 25.555,40.555 25.666,40.43 25.763,40.294 25.844,40.147 25.908,39.993 25.954,39.832 25.982,39.667 25.991,39.515 25.99,39.5 25.99,-39.5 25.991,-39.515 25.982,-39.667 25.954,-39.832 25.908,-39.993 25.844,-40.147 25.763,-40.294 25.666,-40.43 25.555,-40.555 25.43,-40.666 25.294,-40.763 25.147,-40.844 24.993,-40.908 24.832,-40.954 24.667,-40.982 24.515,-40.991 24.5,-40.99 -41.5,-40.99 -41.515,-40.991 -41.667,-40.982 -41.832,-40.954 -41.993,-40.908 -42.147,-40.844 -42.294,-40.763 -42.43,-40.666 -42.555,-40.555 -42.666,-40.43 -42.763,-40.294 -42.844,-40.147 -42.908,-39.993 -42.954,-39.832 -42.982,-39.667 -42.991,-39.515 -42.99,-39.5 -42.99,39.5 -42.991,39.515 -42.982,39.667 -42.954,39.832 -42.908,39.993 -42.844,40.147 -42.763,40.294 -42.666,40.43 -42.555,40.555 -42.43,40.666 -42.294,40.763 -42.147,40.844 -41.993,40.908 -41.832,40.954 -41.667,40.982 -41.515,40.991
GND on GNDT (split plane): -41.5,40.99 24.5,40.99 24.515,40.991 24.667,40.982 24.832,40.954 24.993,40.908 25.147,40.844 25.294,40.763 25.43,40.666 25.555,40.555 25.666,40.43 25.763,40.294 25.844,40.147 25.908,39.993 25.954,39.832 25.982,39.667 25.991,39.515 25.99,39.5 25.99,-39.5 25.991,-39.515 25.982,-39.667 25.954,-39.832 25.908,-39.993 25.844,-40.147 25.763,-40.294 25.666,-40.43 25.555,-40.555 25.43,-40.666 25.294,-40.763 25.147,-40.844 24.993,-40.908 24.832,-40.954 24.667,-40.982 24.515,-40.991 24.5,-40.99 -41.5,-40.99 -41.515,-40.991 -41.667,-40.982 -41.832,-40.954 -41.993,-40.908 -42.147,-40.844 -42.294,-40.763 -42.43,-40.666 -42.555,-40.555 -42.666,-40.43 -42.763,-40.294 -42.844,-40.147 -42.908,-39.993 -42.954,-39.832 -42.982,-39.667 -42.991,-39.515 -42.99,-39.5 -42.99,39.5 -42.991,39.515 -42.982,39.667 -42.954,39.832 -42.908,39.993 -42.844,40.147 -42.763,40.294 -42.666,40.43 -42.555,40.555 -42.43,40.666 -42.294,40.763 -42.147,40.844 -41.993,40.908 -41.832,40.954 -41.667,40.982 -41.515,40.991

## Silkscreen, mask and mechanical layers (free items; w line width, h text height)
Board:
  the board outline again, w0.2